# Altium PCB BowieGlove.PcbDoc (part 2 of 2)
Units mil, origin at the board's own origin, x right, y up, seen from the top; angles counter-clockwise.
Board outline 2716.54 x 2322.83 mil, 4 copper layers (Top Layer, Int1 (GND), Int2 (PWR), Bottom Layer), stack 53.912 mil thick; 103 components, 61 nets, 398 pads, 190 vias.
Unrouted connection lines stored in the file: 124.
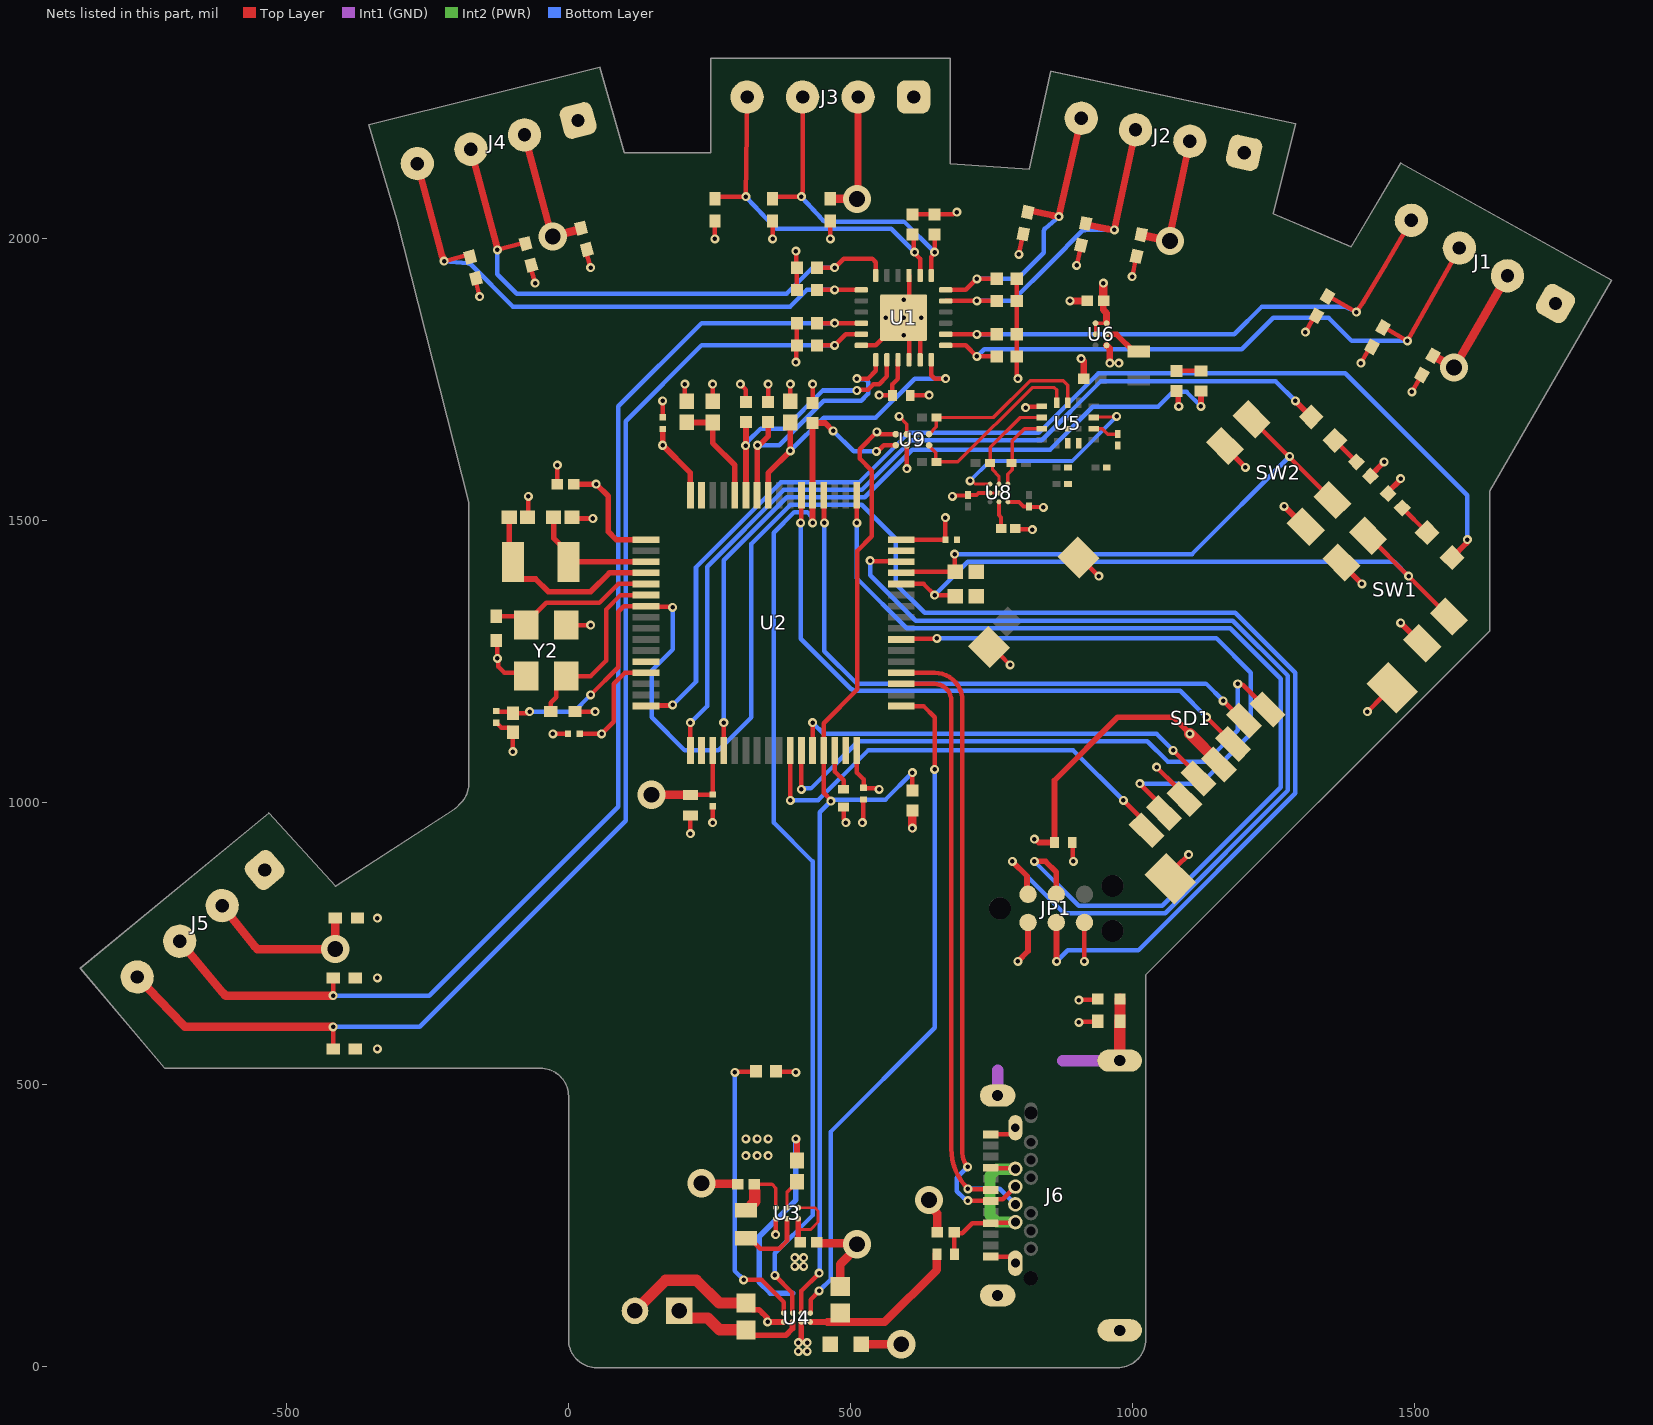
[diagram p4: the nets of this part, all layers, seen from the top]

## Via types
v1: diameter 16, hole 8, Top Layer to Bottom Layer, tented both sides, 175 vias
v2: diameter 50, hole 28, Top Layer to Bottom Layer, tented both sides, 10 vias
v3: diameter 19.68, hole 7.87, Top Layer to Bottom Layer, 5 vias

## Nets (pads, with @x,y where several pads share a name; then routed paths per layer and width w, separated by ;. In a path a pad name is that pad's centre, name@x,y a point inside that pad or via, vN(x,y) a via of type N, cw(c..) or ccw(c..) an arc to the next point about the centre after c; other vN are vias at no path point) (continued)
3V3: C3.1 C8.1 C9.2 C10.2 C11.2 C12.2 C13.2 C15.1 C17.1 C18.1 C24.1 D3.2 D6.2 D9.2 D12.2 D15.2 J1.2 J2.2 J3.2 J4.2 J5.2 JP1.1 L1.2 R1.2 R2.2 R3.2 R4.2 R5.2 R6.2 R7.2 R8.2 R9.2 R10.2 R12.2 R13.2 R14.2 R15.1 R16.1 R17.2 R23.2 R24.2 R26.1 SD1.4 SW1.2 SW1.4 SW2.2 SW2.4 U1.21 U2.1 U2.13 U2.19 U2.32 U2.48 U2.64 U3.C1 U6.A1 U6.A2 U6.B1 U9.B2 | length 4032.3
  Top Layer w6: C18.1@329.86,322.83 361.22,322.83 368.11,315.94 U3.C1@368.11,281.5 ; v1(586.61,1685.04) 600.39,1671.26 U9.B2@600.39,1653.54 ; U6.B1@935.04,1830.71 U6.A1@935.04,1850.39 U6.A2@954.72,1850.39
  Top Layer w8: C11.2@20.28,1122.05 v1(59.06,1122.05) 80.71,1143.7 80.71,1210.63 100.39,1230.31 U2.13@137.8,1230.31 ; C8.1@216.54,1013.78 216.83,1014.07 255.61,1014.07 C10.2@255.91,1014.37 U2.19@255.91,1092.52 ; R17.2@255.91,1711.61 v1(255.91,1742.13) ; v1(305.12,1742.13) 314.96,1732.28 R13.2@314.96,1710.63 ; R12.2@354.33,1710.63 v1(354.33,1742.13) ; R14.2@393.7,1711.61 v1(393.7,1742.13) ; v1(403.54,1781.5) 404.53,1782.48 404.53,1810.04 R9.2@405.51,1811.02 R10.2@405.51,1850.39 ; v1(403.54,1978.35) 404.53,1977.36 404.53,1949.8 R8.2@405.51,1948.82 R7.2@405.51,1909.45 ; R23.2@433.07,1708.66 v1(433.07,1742.13) ; U2.32@511.81,1092.52 511.81,1053.15 523.62,1041.34 C9.2@523.62,1026.18 524.31,1025.5 547.14,1025.5 549.02,1023.62 v1(551.18,1023.62) ; v1(551.18,1722.91) 551.42,1722.68 574.57,1722.68 C3.1@574.8,1722.44 574.8,1742.13 584.65,1751.97 U1.21@584.65,1785.43 ; U2.48@590.55,1466.54 C12.2@668.7,1466.54 668.85,1466.68 v1(668.85,1505.46) ; R5.2@610.24,2043.31 R6.2@649.61,2043.31 682.87,2043.31 686.81,2047.24 v1(688.98,2047.24) ; R3.2@795.28,1929.13 R4.2@795.28,1889.76 R1.2@795.28,1830.71 R2.2@795.28,1791.34 795.28,1756.1 797.24,1754.13 v1(797.24,1751.97)
  Top Layer w10: C15.1@9.84,1564.96 v1(49.21,1564.96) 70.87,1543.31 70.87,1480.31 84.65,1466.54 U2.1@137.8,1466.54 ; C13.2@167.32,1662.8 v1(167.32,1633.86) 215.93,1585.25 215.93,1545.88 U2.64@216.54,1545.28 ; v1(797.24,718.5) 815.35,736.61 JP1.1@815.35,787.4 ; v1(826.77,935.04) 828.4,935.04 834.3,929.13 C17.1@862.2,929.13 862.2,1039.37 974.41,1151.57 1072.83,1151.57 v1(1102.36,1122.05) ; R26.1@1078.74,1730.31 1081.53,1727.53 1081.53,1703.9 v1(1082.68,1702.76) ; SW2.4@1164.49,1632.67 1164.49,1630.78 v1(1200.79,1594.49) ; v1(1269.69,1525.59) 1305.98,1489.3 SW2.2@1307.86,1489.3 ; SW1.4@1371.19,1425.97 1371.19,1424.09 v1(1407.48,1387.8) ; R16.1@1422.69,1579.28 1422.69,1579.72 1446.85,1603.88 v1(1446.85,1604.33) ; R15.1@1454.01,1547.96 1454.01,1550.81 1476.38,1573.18 v1(1476.38,1574.8) ; v1(1476.38,1318.9) 1512.67,1282.6 SW1.2@1514.56,1282.6
  Top Layer w12: J4.2@-77.84,2184.37 v2@-29.85,2005.26 ; v2@513.93,2072.98 J3.2@513.93,2251.42 ; C24.1@949.94,1889.76 948.82,1888.64 948.82,1874.02 954.72,1868.11 U6.A2@954.72,1850.39 ; v2@1065.29,1998.59 J2.2@1102.35,2172.96
  Top Layer w15: J5.2@-614.1,817.27 -557.25,745.82 -551.59,740.16 -545.51,740.16 v2(-413.39,740.16) D15.2@-413.39,795.28 ; v2(-27.56,2003.94) 20.62,2016.85 D12.2@22.46,2019.01 ; v2(147.64,1013.78) C8.1@216.54,1013.78 ; D9.2@464.57,2070.87 v2(511.81,2070.87) ; v1(610.24,954.72) R24.2@610.24,986.22 ; v1(948.82,1921.26) 949.01,1921.07 949.01,1890.7 C24.1@949.94,1889.76 ; D6.2@1015.9,2007.44 1018.09,2006.44 v2(1066.93,1996.06) ; D3.2@1533.46,1792.64 1535.76,1791.92 v2(1570.87,1771.65) 1578.59,1783.71 ccw(c1565.96,1791.81) 1578.95,1784.3 1599.73,1820.28 J1.2@1665.67,1934.49
  Top Layer w20: L1.2@314.96,276.57 321.85,276.57 324.65,279.37 324.65,286.26 330.71,292.32 330.71,311.02 ; v1(1102.36,1122.05) 1153.86,1070.55 SD1.4@1153.86,1067.92
  other v1: 314.96,374.02 334.65,374.02 354.33,374.02 314.96,403.54 334.65,403.54 354.33,403.54
ASCX: R30.1 U5.3 U8.A3 | length 141.6
  Top Layer w6: U8.A3@779.53,1564.96 779.53,1582.68 787.4,1590.55 787.4,1641.73 809.06,1663.39 U5.3@840.04,1663.39
ASDX: R29.1 U5.2 U8.A2 | length 185.7
  Top Layer w6: U8.A2@763.78,1564.96 763.78,1578.74 752.33,1590.19 752.33,1598.47 748.44,1602.36 R29.1@748.03,1602.36 748.03,1629.92 801.18,1683.07 U5.2@840.04,1683.07
BQ21080_INT: U2.33 U4.A1 | length 1215.6
  Top Layer w8: U4.A1@429.13,94.49 429.49,94.84 429.49,118.46 v1(444.88,133.86) ; U2.33@590.55,1171.26 629.92,1171.26 649.61,1151.57 v1(649.61,1059.06)
  Bottom Layer w8: v1(444.88,133.86) 465.76,154.73 465.76,416.54 649.61,600.39 v1(649.61,1059.06)
FINGER_MUX_RESET: R14.1 U1.24 U2.57 | length 529.4
  Top Layer w8: U1.24@643.7,1785.43 643.7,1757.87 649.61,1751.97 v1(669.29,1751.97)
  Top Layer w10: U2.57@354.33,1545.28 354.33,1584.65 v1(393.7,1624.02) R14.1@393.7,1674.21
  Bottom Layer w8: v1(393.7,1624.02) 452.76,1683.07 545.28,1683.07 614.17,1751.97 v1(669.29,1751.97)
GND: C1.2 C2.2 C3.2 C4.2 C5.2 C6.2 C7.2 C8.2 C9.1 C10.1 C11.1 C12.1 C13.1 C14.1 C15.2 C16.2 C17.2 C18.2 C19.2 C20.2 C21.2 C22.1 C23.2 C24.2 C28.2 C29.2 C30.2 C31.2 C32.2 C33.2 C34.2 D1.1 D2.1 D3.1 D4.1 D5.1 D6.1 D7.1 D8.1 D9.1 D10.1 D11.1 D12.1 D13.1 D14.1 D15.1 J1.1 J2.1 J3.1 J4.1 J5.1 J6.A1 J6.A12 J6.B1 J6.B12 JP1.5 P1.2 R11.2 R18.1 R19.1 R20.1 R21.1 R25.1 SD1.6 SD1.10 SD1.11 SD1.12 SD1.13 U1.9 U1.18 U1.22 U1.23 U1.25 U2.12 U2.18 U2.31 U2.47 U2.63 U3.C2 U4.D2 U5.1 U5.6 U5.7 U6.C2 U8.B1 U8.B2 U8.C3 U9.B1 Y2.2 Y2.4 | length 3000.3
  Top Layer w6: U8.B1@748.03,1549.21 U8.B2@763.78,1549.21
  Top Layer w7: v1(681.1,1543.31) 682.17,1544.38 707.59,1544.38 708.93,1545.71 724.33,1545.71 727.83,1549.21 U8.B1@748.03,1549.21 ; U8.C3@779.53,1533.46 799.21,1533.46 807.09,1525.59 816.76,1525.59 817.83,1524.52 841.62,1524.52 v1(842.52,1523.62)
  Top Layer w8: D11.1@-164.2,1929.8 -163.95,1921.78 v1(-157.48,1897.64) ; C14.1@-127.95,1141.73 -127.56,1141.73 -118.64,1132.81 -105.25,1132.81 -98.43,1125.98 R19.1@-98.43,1125 v1(-98.43,1090.55) ; C6.2@-127.95,1287.4 -125.98,1279.59 v1(-125.98,1255.91) -124.45,1254.37 -124.45,1241.34 -113.42,1230.31 -92.46,1230.31 Y2.2@-74.8,1224.41 ; C5.2@-72.22,1505.91 -70.87,1513.96 v1(-70.87,1543.31) ; D10.1@-65.77,1953.43 -65.53,1945.41 v1(-59.06,1921.26) ; v1(-27.56,1122.05) C11.1@-0.59,1122.05 ; C15.2@-19.97,1564.96 -19.68,1570.26 v1(-19.68,1598.43) ; Y2.4@-3.94,1314.96 v1(39.37,1314.96) ; C4.2@6.52,1505.91 15.92,1503.94 v1(43.31,1503.94) ; C7.2@11.81,1161.42 v1(47.24,1161.42) ; D12.1@32.65,1980.99 32.9,1972.97 v1(39.37,1948.82) ; C13.1@167.32,1683.66 v1(167.32,1712.6) ; v1(206.69,1742.13) 206.69,1715.31 R18.1@210.31,1711.7 ; v1(216.54,944.88) C8.2@216.54,977.36 ; v1(255.91,964.57) C10.1@255.91,993.5 ; v1(259.84,2000) D8.1@259.84,2031.5 ; v1(362.2,2000) D7.1@362.2,2031.5 ; v1(367.64,233.79) 367.64,261.35 U3.C2@368.11,261.81 ; R25.1@368.11,523.62 369.09,522.64 402.56,522.64 v1(403.54,521.65) ; v1(464.57,2000) D9.1@464.57,2031.5 ; C16.2@488.19,992.13 488.19,970.67 492.13,966.73 v1(492.13,964.57) ; U1.18@519.69,1811.02 545.28,1811.02 v3(594.49,1860.24) 624.02,1830.71 U1.23@624.02,1785.43 ; v1(521.65,964.57) 522.64,965.55 522.64,1004.33 C9.1@523.62,1005.31 ; v3(594.49,1828.74) 598.49,1828.74 604.33,1822.9 U1.22@604.33,1785.43 ; v3(594.49,1891.73) 598.49,1891.73 604.33,1897.57 U1.9@604.33,1935.04 ; U9.B1@600.39,1633.86 600.5,1633.75 600.5,1592.41 v1(600.6,1592.31) ; C3.2@606.3,1722.44 606.54,1722.68 639.53,1722.68 v1(639.76,1722.91) ; SD1.10@746.02,1275.87 765.51,1262.05 v1(783.46,1244.09) ; J6.A1@749.21,194.88 784.79,194.88 792.91,186.76 J6.B12@792.91,183.07 ; J6.A12@749.21,411.42 785.06,411.42 792.91,419.27 J6.B1@792.91,423.23 ; C32.2@792.39,1486.22 793.38,1485.24 821.85,1485.24 v1(822.83,1484.25) ; v1(799.21,1972.44) 805.3,2001.06 D5.1@806.78,2008.73 ; v1(811.02,1700.79) 812.07,1701.83 839.12,1701.83 U5.1@840.04,1702.76 ; C17.2@893.7,929.13 894.69,928.15 894.69,896.65 v1(895.67,895.67) ; v1(901.57,1952.76) 907.58,1981 D4.1@909.29,1988.62 ; SD1.11@904.7,1434.56 922.99,1419.53 v1(940.94,1401.57) ; v1(905.51,610.24) 906.5,611.22 937.99,611.22 R11.2@938.98,612.2 ; v1(905.51,649.61) 906.5,650.59 937.99,650.59 C2.2@938.98,651.57 ; v1(915.35,718.5) JP1.5@915.35,787.4 ; v1(1000,1933.07) 1006,1961.31 D6.1@1007.72,1968.93 ; v1(1043.31,1062.99) 1078.07,1028.23 SD1.6@1092.61,1006.67 ; SD1.13@1067.56,865.25 1081.49,884.64 1079.31,886.82 v1(1100.18,907.69) ; v1@1307.09,1836.81 v1(1307.09,1834.65) 1320.62,1858.08 D2.1@1326.77,1863.54 D2.1@1326.77,1856.5 ; v1(1405.51,1779.53) 1419.04,1802.96 D1.1@1425.2,1808.42 ; v1(1417.32,1161.42) 1443.78,1187.87 SD1.12@1461.48,1203.49 ; v1(1496.06,1728.35) 1509.66,1751.9 D3.1@1513.78,1758.54
  Top Layer w10: C21.2@314.96,112.29 326.85,100.41 338.11,100.41 344.03,94.49 352.2,86.32 352.2,79.89 v1(353.35,78.74) ; v1@351.72,78.74 U4.D2@381.89,78.74
  Top Layer w12: v1(889.76,1889.76) C24.2@920.14,1889.76 ; v1(909.45,1787.4) 914.23,1782.62 C23.2@914.23,1751.97 ; U6.C2@954.72,1811.02 960.22,1805.53 960.22,1779.94 v1(960.63,1779.53)
  Top Layer w15: v2(236.22,324.8) 237.2,323.82 299.07,323.82 C18.2@300.06,322.83 ; C19.2@440.94,220.47 442.75,218.67 509.67,218.67 v2(511.81,216.54) 511.81,210.73 482.28,181.2 C20.2@482.28,141.82 ; C22.1@519.69,39.37 v2(590.55,39.37) ; v2(639.76,295.28) 639.76,285.8 654.39,271.18 C1.2@654.39,238.19
  Top Layer w20: P1.2@118.11,98.43 172.24,152.56 227.36,152.56 267.63,112.29 C21.2@314.96,112.29
  Top Layer w27.56: J1.1@1750.91,1885.28 J1.1@1756.11,1865.87
  other v1: -338.58,562.99 -338.58,688.98 -338.58,795.28 976.38,1779.53
  other v3: 562.99,1860.24 625.98,1860.24
I2C2_SCK: R24.1 U2.29 U4.B1 U9.A2 | length 1878
  Top Layer w8: U4.B1@413.39,94.49 413.39,133.86 v1(444.88,165.35) ; v1(465.61,1002.59) 465.61,1004.75 452.76,1017.6 U2.29@452.76,1092.52 452.76,1140.75 512.8,1200.79 512.8,1446.85 538.39,1472.44 538.39,1588.58 516.73,1610.24 516.73,1626.97 v1(547.24,1657.48) 549.41,1657.48 553.35,1653.54 U9.A2@580.71,1653.54 ; R24.1@610.24,1021.65 v1(610.24,1053.15)
  Bottom Layer w8: v1(444.88,165.35) 446.07,166.54 446.07,983.05 v1(465.61,1002.59) ; v1@465.61,1005.42 562.5,1005.42 v1(610.24,1053.15)
I2C2_SDA: R23.1 U2.53 U4.C1 U9.A1 | length 1901.5
  Top Layer w8: v1(366.14,161.42) 397.29,130.27 397.29,94.84 U4.C1@397.64,94.49 ; v1(546.37,1622.93) 548.53,1622.93 559.46,1633.86 U9.A1@580.71,1633.86
  Top Layer w10: v1(433.07,1496.06) U2.53@433.07,1545.28 R23.1@433.07,1673.23 455.71,1673.23 v1(469.49,1659.45)
  Bottom Layer w8: v1(366.14,161.42) 366.14,200.79 433.07,267.72 433.07,895.67 364.17,964.57 364.17,1478.75 400.76,1515.34 423.64,1515.34 431.85,1507.13 431.85,1497.28 v1(433.07,1496.06) ; v1(469.49,1659.45) 506.01,1622.93 v1(546.37,1622.93)
I2C_CH1_SCK: D2.2 J1.4 R1.1 U1.2 | length 1034.5
  Top Layer w8: U1.2@669.29,1830.71 v1(724.41,1830.71) R1.1@759.84,1830.71 ; D2.2@1346.46,1897.64 1352.38,1896.21 v1(1397.64,1870.08) 1411.12,1889.92 ccw(c1404.5,1894.42) 1411.36,1890.29 1448.48,1952 ccw(c1441.62,1956.12) 1448.55,1952.12 J1.4@1495.19,2032.91
  Bottom Layer w8: v1(724.41,1830.71) 1181.1,1830.71 1230.32,1879.92 1375.03,1879.92 cw(c1375.03,1871.92) 1378.45,1879.15 v1(1397.64,1870.08)
I2C_CH1_SDA: D1.2 J1.3 R2.1 U1.1 | length 1146.4
  Top Layer w8: U1.1@669.29,1811.02 704.72,1811.02 v1(724.41,1791.34) R2.1@759.84,1791.34 ; D1.2@1444.88,1842.52 1450.54,1840.63 v1(1488.19,1818.9) J1.3@1580.43,1983.7
  Bottom Layer w8: v1(724.41,1791.34) 737.47,1804.4 1194.17,1804.4 1250,1860.24 1348.43,1860.24 1389.76,1818.9 v1(1488.19,1818.9)
I2C_CH2_SCK: D5.2 J2.4 R3.1 U1.6 | length 548.7
  Top Layer w8: U1.6@669.29,1909.45 704.72,1909.45 v1(724.41,1929.13) R3.1@759.84,1929.13
  Top Layer w12: D5.2@814.96,2047.24 819.46,2049.94 858.47,2041.65 ccw(c860.96,2053.39) 858.65,2041.61 v1(870.08,2039.37) J2.4@909.8,2213.89
  Bottom Layer w8: v1(724.41,1929.13) 797.24,1929.13 843.3,1975.19 843.3,2012.84 cw(c851.3,2012.84) 846.11,2018.92 v1(870.08,2039.37)
I2C_CH2_SDA: D4.2 J2.3 R4.1 U1.5 | length 620.6
  Top Layer w8: U1.5@669.29,1889.76 v1(724.41,1889.76) R4.1@759.84,1889.76
  Top Layer w12: D4.2@917.48,2027.13 920.94,2024.92 956.56,2017.35 ccw(c959.06,2029.09) 957.46,2017.19 v1(968.5,2015.75) J2.3@1006.07,2193.42
  Bottom Layer w8: v1(724.41,1889.76) 787.4,1889.76 856.3,1958.66 910.8,2013.16 cw(c916.46,2007.51) 916.42,2015.51 v1(968.5,2015.75)
I2C_CH3_SCK: D8.2 J3.4 R5.1 U1.8 | length 652.3
  Top Layer w8: D8.2@259.84,2070.87 265.69,2074.8 v1(314.96,2074.8) J3.4@317.08,2251.42 ; R5.1@610.24,2007.87 612.64,2005.47 612.64,1977.91 v1(614.17,1976.38) 614.17,1974.21 624.02,1964.37 U1.8@624.02,1935.04
  Bottom Layer w8: v1(314.96,2074.8) 365.76,2020.24 ccw(c371.59,2025.72) 371.59,2017.72 572.83,2017.72 v1(614.17,1976.38)
I2C_CH3_SDA: D7.2 J3.3 R6.1 U1.7 | length 582.3
  Top Layer w8: D7.2@362.2,2070.87 368.05,2074.8 v1(413.39,2074.8) 415.26,2082.21 ccw(c407.5,2084.17) 415.5,2084.17 J3.3@415.5,2251.42 ; U1.7@643.7,1935.04 643.7,1968.31 649.61,1974.21 v1(649.61,1976.38) R6.1@649.61,2007.87
  Bottom Layer w8: v1(413.39,2074.8) 451.18,2033.31 ccw(c457.07,2038.72) 457.07,2030.72 595.27,2030.72 v1(649.61,1976.38)
I2C_CH4_SCK: D11.2 J4.4 R7.1 U1.13 | length 1042.8
  Top Layer w8: v1(-220.47,1960.63) -213.88,1961.92 ccw(c-215.45,1969.77) -213.38,1962.04 -181.19,1970.66 D11.2@-174.39,1967.83 ; R7.1@440.94,1909.45 v1(472.44,1909.45) U1.13@519.69,1909.45
  Top Layer w12: J4.4@-267.98,2133.42 -230.05,1991.83 -224.57,1971.42 ccw(c-212.99,1974.56) -224.28,1970.49 -224.09,1969.95 ccw(c-212.8,1974.02) -224.01,1969.75 v1(-220.47,1960.63)
  Bottom Layer w8: v1(-220.47,1960.63) -178.1,1956.95 cw(c-178.79,1948.98) -173.16,1954.65 -98.43,1879.92 393.7,1879.92 423.23,1909.45 v1(472.44,1909.45)
I2C_CH4_SDA: D10.2 J4.3 R8.1 U1.12 | length 1047.3
  Top Layer w8: v1(-125.98,1980.31) -82.17,1992.05 D10.2@-75.96,1991.46 ; R8.1@440.94,1948.82 v1(472.44,1948.82) 488.19,1964.57 539.37,1964.57 545.28,1958.66 U1.12@545.28,1935.04
  Top Layer w12: J4.3@-172.91,2158.9 v1@-125.35,1981.41
  Bottom Layer w8: v1(-125.98,1980.31) -125.98,1937.01 -91.74,1902.76 387.02,1902.76 433.07,1948.82 v1(472.44,1948.82)
I2C_CH5_SCK: D14.2 J5.4 R9.1 U1.17 | length 2317.6
  Top Layer w8: D14.2@-417.32,562.99 v1(-417.32,602.36) ; R9.1@440.94,1811.02 v1(472.44,1811.02) 492.13,1830.71 U1.17@519.69,1830.71
  Top Layer w15: J5.4@-764.89,690.73 -684.99,607.01 -680.35,602.36 -674.14,602.36 v1@-416.86,602.36
  Bottom Layer w8: v1(-417.32,602.36) -263.78,602.36 101.58,967.72 101.58,1676.39 236.22,1811.02 v1(472.44,1811.02)
I2C_CH5_SDA: D13.2 J5.3 R10.1 U1.16 | length 2226.9
  Top Layer w8: v1(-417.32,657.48) D13.2@-417.32,688.98 ; R10.1@440.94,1850.39 v1(472.44,1850.39) U1.16@519.69,1850.39
  Top Layer w15: J5.3@-689.5,754 -613.08,662.84 -607.72,657.48 -601.59,657.48 v1(-417.32,657.48)
  Bottom Layer w8: v1(-417.32,657.48) -246.73,657.48 88.58,992.79 88.58,1702.76 236.22,1850.39 v1(472.44,1850.39)
JTAG_DIO: U5.16
MCU_I2C1_SCK: R12.1 U1.19 U2.58 | length 476.5
  Top Layer w8: v1(511.81,1751.97) 531.5,1751.97 545.28,1765.75 U1.19@545.28,1785.43
  Top Layer w10: U2.58@334.65,1545.28 335.05,1545.68 335.05,1633.47 v1(335.46,1633.88) ; v1@334.65,1633.86 335.81,1635.03 339.75,1635.03 354.33,1649.61 R12.1@354.33,1675.2
  Bottom Layer w8: v1(335.46,1633.88) 374.04,1633.88 452.76,1712.6 511.81,1712.6 512.18,1712.97 519.27,1712.97 531.5,1725.2 531.5,1746.11 526.79,1750.82 512.96,1750.82 v1(511.81,1751.97)
MCU_I2C1_SDA: R13.1 U1.20 U2.59 | length 462.8
  Top Layer w8: v1(511.81,1730.97) 513.34,1732.5 531.51,1732.5 541.13,1742.13 551.18,1742.13 564.96,1755.91 U1.20@564.96,1785.43
  Top Layer w10: U2.59@314.96,1545.28 R13.1@314.96,1675.2
  Bottom Layer w8: v1(314.47,1633.37) 314.47,1635.53 318.46,1639.52 318.46,1640.92 340.93,1663.39 383.74,1663.39 451.33,1730.97 v1(511.81,1730.97)
MCU_LED0: D16.1 U2.16 | length 2031.8
  Top Layer w8: U2.16@137.8,1171.26 138.78,1172.24 184.06,1172.24 v1(185.04,1173.23)
  Top Layer w10: D16.1@1567.55,1434.42 1593.34,1460.22 1593.34,1465.39 v1(1594.49,1466.54)
  Bottom Layer w8: v1(185.04,1173.23) 226.38,1214.57 226.38,1417.32 376.97,1567.91 515.4,1567.91 603.2,1655.72 834.18,1655.72 940.28,1761.81 1377.95,1761.81 1594.49,1545.28 v1(1594.49,1466.54)
MCU_LED1: D17.1 U2.17 | length 1572
  Top Layer w8: U2.17@216.54,1092.52 v1(216.54,1141.73)
  Top Layer w10: v1(1289.37,1712.6) D17.1@1317.7,1684.27
  Bottom Layer w8: v1(216.54,1141.73) 246.06,1171.26 246.06,1418.62 382.35,1554.91 520.78,1554.91 608.58,1642.72 839.57,1642.72 943.9,1747.05 1254.92,1747.05 v1(1289.37,1712.6)
MCU_LED2: D18.1 U2.20 | length 1345.5
  Top Layer w8: U2.20@275.59,1092.52 v1(275.59,1141.73)
  Top Layer w10: v1(1122.05,1702.76) D18.1@1122.05,1730.31
  Bottom Layer w8: v1(275.59,1141.73) 275.59,1429.77 387.16,1541.34 525.59,1541.34 610.24,1625.98 854.33,1625.98 930.39,1702.04 1045.99,1702.04 1072.3,1728.35 1096.46,1728.35 v1(1122.05,1702.76)
MCU_RESET: C14.2 JP1.3 R19.2 U2.7 | length 3189.2
  Top Layer w8: C14.2@-127.95,1162.6 -126.44,1161.09 -101.05,1161.09 R19.2@-98.43,1158.46 -74.02,1158.46 -71.06,1161.42 v1(-68.9,1161.42) ; v1(39.37,1190.94) 88.58,1240.16 88.58,1338.58 98.43,1348.43 U2.7@137.8,1348.43 138.78,1347.44 184.06,1347.44 v1(185.04,1346.46)
  Top Layer w10: JP1.3@865.35,787.4 865.75,787.01 865.75,718.9 v1(866.14,718.5)
  Bottom Layer w8: v1(-68.9,1161.42) 9.84,1161.42 v1(39.37,1190.94) ; v1(185.04,1346.46) 185.04,1271.65 147.64,1234.25 147.64,1151.57 206.69,1092.52 265.75,1092.52 324.8,1151.57 324.8,1459.18 393.96,1528.34 520.21,1528.34 580.71,1467.84 580.71,1387.8 631.91,1336.59 1183.09,1336.59 1289.37,1230.31 1289.37,1016.38 1011.18,738.19 885.83,738.19 v1(866.14,718.5)
MCU_SWDCLK: JP1.4 U2.49 | length 1807.4
  Top Layer w8: v1(511.81,1496.06) U2.49@511.81,1545.28
  Top Layer w10: v1(826.77,895.67) 846.46,895.67 865.35,876.77 JP1.4@865.35,837.4
  Bottom Layer w8: v1(511.81,1496.06) 511.81,1397.64 600.39,1309.06 1173.86,1309.06 1263.37,1219.55 1263.37,1027.15 1053.15,816.93 905.51,816.93 v1(826.77,895.67)
MCU_SWDIO: JP1.2 U2.46 | length 1786.7
  Top Layer w8: v1(535.43,1429.13) 536.42,1428.15 589.57,1428.15 U2.46@590.55,1427.17
  Top Layer w10: v1(787.4,895.67) 813.55,869.53 813.55,839.21 JP1.2@815.35,837.4
  Bottom Layer w8: v1(535.43,1429.13) 535.43,1403.54 616.39,1322.59 1178.71,1322.59 1276.37,1224.93 1276.37,1021.76 1058.53,803.93 879.14,803.93 v1(787.4,895.67)
NetC1_1: C1.1 FB16.1 J6.A4 J6.A9 J6.B4 J6.B9 | length 371.5
  Top Layer w8: C1.1@684.2,238.19 C1.1@684.62,237.77 ; FB16.1@685.04,198.82 684.62,199.24 C1.1@684.62,237.77 ; J6.A9@749.21,352.36 750.2,351.38 791.93,351.38 J6.B4@792.91,350.39 ; J6.B9@792.91,255.91 791.93,254.92 750.2,254.92 J6.A4@749.21,253.94 716.54,253.94 698.82,236.22 686.16,236.22 C1.1@684.62,237.77
  Int2 (PWR) w20: J6.B9@792.91,255.91 759.75,255.91 748.03,267.62 748.03,338.06 759.75,349.78 792.3,349.78 J6.B4@792.91,350.39
NetC2_1: C2.1 J6.Shell R11.1 | length 255.3
  Top Layer w20: J6.Shell@977.95,542.32 978.19,542.56 978.19,612.05 R11.1@978.35,612.2 C2.1@978.35,651.57
  Int1 (GND) w20: J6.Shell@761.42,480.32 761.42,525.2 ; 876.97,542.32 J6.Shell@977.95,542.32
NetC16_1: C16.1 U2.30 | length 75.4
  Top Layer w8: U2.30@472.44,1092.52 472.44,1055.12 488.19,1039.37 C16.1@488.19,1023.62
NetC21_1: C21.1 P1.1 U4.C2 | length 235.4
  Top Layer w10: C21.1@314.96,64.87 324.72,55.12 385.83,55.12 397.64,66.93 U4.C2@397.64,78.74
  Top Layer w20: P1.1@196.85,98.43 209.65,85.63 247.23,85.63 267.99,64.87 C21.1@314.96,64.87
NetC31_1: C31.1 U5.9 | length 46.9
  Top Layer w6: U5.9@931.61,1663.39 946.85,1663.39 956.69,1653.54 974.24,1653.54 C31.1@974.41,1653.71
NetC32_1: C32.1 U8.C2 | length 48.9
  Top Layer w7: U8.C2@763.78,1533.46 763.78,1509.84 767.72,1505.91 C32.1@767.72,1486.22
NetD16_2: D16.2 R15.2 | length 62.1
  Top Layer w8: R15.2@1479.06,1522.91 D16.2@1523,1478.96
NetD17_2: D17.2 R16.2 | length 54
  Top Layer w8: D17.2@1359.46,1642.51 R16.2@1397.64,1604.33
NetD18_2: D18.2 R26.2 | length 43.3
  Top Layer w8: R26.2@1078.74,1765.75 D18.2@1122.05,1765.75
NetL1_1: L1.1 U3.B2 | length 125.7
  Top Layer w8: L1.1@314.96,227.36 321.85,227.36 340.55,208.66 374.02,208.66 387.8,222.44 U3.B2@387.8,261.81
NetL2_1: L2.1 U6.B2 | length 69.7
  Top Layer w10: U6.B2@954.72,1830.71 954.81,1830.63 972.52,1830.63 1002.95,1800.2 L2.1@1011.81,1800.2
NetR17_1: R17.1 R18.2 U2.60 | length 190.9
  Top Layer w10: R18.2@210.31,1674.3 210.35,1674.25 R17.1@255.91,1674.21 R17.1@255.91,1674.21 255.91,1637.8 295.28,1598.43 U2.60@295.28,1545.28
NetR25_2: R25.2 U4.D1 | length 519.7
  Top Layer w8: v1(295.28,521.65) 296.26,522.64 331.69,522.64 R25.2@332.68,523.62 ; v1(311.02,153.54) 311.26,153.31 342.76,153.31 381.89,114.17 U4.D1@381.89,94.49
  Bottom Layer w8: v1(295.28,521.65) 295.28,169.29 v1(311.02,153.54)
OCSB: U5.10 U8.A1 | length 386.7
  Top Layer w5: v1(712.6,1570.87) 715.57,1570.87 721.48,1564.96 U8.A1@748.03,1564.96 ; U5.10@931.61,1683.07 932.6,1684.06 971.46,1684.06 v1(972.44,1685.04)
  Bottom Layer w7: v1(712.6,1570.87) 748.03,1606.3 893.7,1606.3 v1(972.44,1685.04)
PWM_MODE: R22.2 U3.B1 | length 53.6
  Top Layer w6: U3.B1@387.8,281.5 387.8,309.06 405.51,326.77 R22.2@405.51,327.76
SCL_ADD_SHIFT_1V8: R28.1 U5.13 U9.D2 | length 329.3
  Top Layer w6: U9.D2@639.76,1653.54 652.56,1666.34 R28.1@652.56,1683.07 753.94,1683.07 818.9,1748.03 877.95,1748.03 885.83,1740.16 U5.13@885.83,1709.13
SDA_ADD_SHIFT_1V8: R27.1 U5.14 U9.D1 | length 327.8
  Top Layer w6: U9.D1@639.76,1633.86 639.76,1632.29 651.83,1620.22 651.83,1605.06 R27.1@652.56,1604.33 690.94,1604.33 822.83,1736.22 862.2,1736.22 866.14,1732.28 U5.14@866.14,1709.13
SDIO_CLK: SD1.5 U2.28 | length 777.6
  Top Layer w8: U2.28@433.07,1092.52 v1(433.07,1141.73) ; v1(1072.83,1092.52) 1117.67,1047.69 SD1.5@1117.67,1042.86
  Bottom Layer w8: v1(433.07,1141.73) 452.76,1122.05 1043.31,1122.05 v1(1072.83,1092.52)
SDIO_CMD: SD1.3 U2.54 | length 1099.5
  Top Layer w8: v1(412.07,1496.06) 412.73,1496.72 412.73,1544.62 U2.54@413.39,1545.28 ; v1(1131.89,1151.57) 1178.91,1104.55 SD1.3@1178.91,1104.11
  Bottom Layer w8: v1(412.07,1496.06) 412.07,1290.69 501.97,1200.79 503.27,1200.79 505.9,1198.16 1085.31,1198.16 v1(1131.89,1151.57)
SDIO_D0: SD1.7 U2.39 | length 1055.6
  Top Layer w8: U2.39@590.55,1289.37 591.54,1290.35 652.56,1290.35 v1(653.54,1291.34) ; v1(1013.78,1033.46) 1042.97,1004.27 SD1.7@1056.42,981.62
  Bottom Layer w8: v1(653.54,1291.34) 1149.61,1291.34 1210.63,1230.31 1210.63,1122.05 1122.05,1033.46 v1(1013.78,1033.46)
SDIO_D1: SD1.8 U2.26 | length 820.6
  Top Layer w8: v1(393.7,1003.94) U2.26@393.7,1092.52 ; v1(984.25,1003.94) 1013.45,974.74 SD1.8@1025.8,951
  Bottom Layer w8: v1(393.7,1003.94) 442.91,1003.94 531.5,1092.52 895.67,1092.52 v1(984.25,1003.94)
SDIO_D2: SD1.1 U2.27 | length 1070.1
  Top Layer w8: v1(413.39,1023.62) U2.27@413.39,1092.52 ; v1(1187.32,1210.63) 1188.85,1209.1 1196.41,1209.1 SD1.1@1240.16,1165.35
  Bottom Layer w8: v1(413.39,1023.62) 414.92,1025.15 430.24,1025.15 514.14,1109.05 1026.78,1109.05 1062.99,1072.83 1131.89,1072.83 1187.32,1128.26 v1(1187.32,1210.63)
SDIO_D3: SD1.2 U2.52 | length 1072.5
  Top Layer w8: U2.52@452.76,1545.28 453.41,1544.62 453.41,1496.72 v1(454.07,1496.06) ; v1(1161.42,1180.63) 1196.18,1145.87 SD1.2@1198.4,1145.87
  Bottom Layer w8: v1(454.07,1496.06) 454.07,1268.37 511.28,1211.16 1130.89,1211.16 v1(1161.42,1180.63)
USB_DN: J6.A7 J6.B7 U2.35 | length 1116.5
  Top Layer w8: U2.35@590.55,1210.63 649.61,1210.63 cw(c649.61,1181.1) 679.13,1181.1 679.13,386.25 ccw(c779.95,386.25) v1(708.66,314.96) 709.65,313.98 748.23,313.98 J6.A7@749.21,312.99
  Bottom Layer w8: v1(708.66,314.96) 765.35,314.96 J6.B7@792.91,287.4
USB_DP: J6.A6 J6.B6 U2.36 | length 1138.6
  Top Layer w8: U2.36@590.55,1230.31 649.61,1230.31 cw(c649.61,1181.1) 698.82,1181.1 698.82,378.09 ccw(c732.42,378.09) v1@708.66,354.33 ; v1(708.66,293.96) 708.99,293.63 748.89,293.63 J6.A6@749.21,293.31 752.1,296.2 770.21,296.2 J6.B6@792.91,318.9
  Bottom Layer w8: v1(708.17,353.84) 688.98,334.65 688.98,310.6 701.62,297.96 702.5,297.96 706.5,293.96 v1(708.66,293.96)
USER_INPUT_0: R20.2 SW1.1 SW1.3 U2.44 | length 1182.8
  Top Layer w8: U2.44@590.55,1387.8 629.92,1387.8 v1(649.61,1368.11) 684.06,1368.11 R20.2@686.02,1366.14 ; SW1.3@1418.51,1473.3 v1(1490.2,1401.62) SW1.1@1561.88,1329.93
  Bottom Layer w8: v1(649.61,1368.11) 708.66,1427.17 1464.65,1427.17 v1(1490.2,1401.62)
USER_INPUT_1: R21.2 SW2.1 SW2.3 U2.45 | length 996.5
  Top Layer w8: U2.45@590.55,1407.48 610.17,1409.25 676.24,1409.25 R21.2@686.02,1409.45 685.04,1410.43 v1(685.04,1440.94) ; SW2.3@1211.82,1679.99 SW2.1@1355.19,1536.62
  Bottom Layer w8: v1(685.04,1440.94) 1106.3,1440.94 v1(1279.53,1614.17)
VBUS: C20.1 FB16.2 U4.A2 | length 290.3
  Top Layer w10: U4.A2@429.13,78.74 459.65,78.74
  Top Layer w15: 459.65,78.74 561.02,78.74 653.54,171.26 FB16.2@653.54,198.82
VSYS: C19.1 C22.2 R22.1 U3.A1 U3.A2 U4.B2 | length 566.7
  Top Layer w5: U3.A1@407.48,281.5 437.01,281.5 442.91,275.59 442.91,255.91 429.9,242.89 407.56,242.89
  Top Layer w6: C19.1@405.23,214.57 C19.1@411.14,220.47
  Top Layer w10: v1(403.54,403.54) 403.54,401.92 405.51,399.95 R22.1@405.51,365.16 ; U3.A2@407.48,261.81 407.56,261.73 407.56,242.89 407.56,224.05 C19.1@411.14,220.47 ; 412.4,49.21 413.39,50.2 U4.B2@413.39,78.74
  Bottom Layer w10: 397.64,129.92 358.27,129.92 338.58,149.61 338.58,230.32 403.54,295.28 v1(403.54,403.54)
  other v1: 407.85,26.52 423.6,26.52 407.85,42.26 423.6,42.26 401.57,177.17 417.32,177.17 401.57,192.91 417.32,192.91
XIN: C6.1 U2.5 Y2.1 | length 304.7
  Top Layer w8: C6.1@-127.95,1330.71 -90.55,1330.71 Y2.1@-74.8,1314.96 -74.8,1318.9 -39.37,1354.33 55.12,1354.33 88.58,1387.8 U2.5@137.8,1387.8
XIN32: C4.1 U2.3 Y1.1 | length 227.4
  Top Layer w10: C4.1@-26.2,1505.91 -26.2,1469.12 0,1442.91 Y1.1@0,1427.17 U2.3@137.8,1427.17
XOUT: C7.1 U2.6 Y2.3 | length 328.7
  Top Layer w8: C7.1@-31.5,1161.42 -31.5,1177.17 -21.59,1187.07 -21.59,1206.76 Y2.3@-3.94,1224.41 39.37,1224.41 66.93,1251.97 66.93,1342.52 92.52,1368.11 U2.6@137.8,1368.11
XOUT32: C5.1 U2.4 Y1.2 | length 362.8
  Top Layer w10: C5.1@-104.94,1505.91 -104.94,1433.68 Y1.2@-98.43,1427.17 -98.43,1411.42 -83.74,1396.73 -58.15,1396.73 -35.43,1374.02 39.37,1374.02 72.83,1407.48 U2.4@137.8,1407.48
pads on no net: J6.A2 J6.A3 J6.A5 J6.A8 J6.A10 J6.A11 J6.B2 J6.B3 J6.B5 J6.B8 J6.B10 J6.B11 J6.MH1 J6.MH2 JP1.0 JP1.6 SD1.9 U1.3 U1.4 U1.10 U1.11 U1.14 U1.15 U2.2 U2.8 U2.9 U2.10 U2.11 U2.14 U2.15 U2.21 U2.22 U2.23 U2.24 U2.25 U2.34 U2.37 U2.38 U2.40 U2.41 U2.42 U2.43 U2.50 U2.51 U2.55 U2.56 U2.61 U2.62 U5.4 U5.11 U5.15 U5.18 U5.19 U5.20

## Polygon pours and split planes (outlines as drawn)
GND on Top Layer "GND" (solid, pour order 12): -49.68,528.98 cw(c-49.68,478.98) 0.32,478.98 0.32,47.48 ccw(c50.32,47.48) 50.32,-2.52 973.94,-2.52 ccw(c973.94,47.48) 1023.94,47.48 1023.94,694.33 1634.17,1304.57 1634.17,1552.6 1850.71,1926.61 1476.32,2134.61 1388.11,1985.67 1250.32,2044.72 1290.19,2204.2 1290.12,2204.22 855.89,2297.27 855.87,2297.27 817.24,2123.46 677.48,2132.78 677.48,2320.31 252.28,2320.31 252.28,2152.99 98.74,2152.99 55.43,2304.57 -354.02,2202.2 -304.8,2034.88 -176.85,1532.91 -176.85,1031.73 cw(c-221.52,1031.73) -189.93,1000.14 -200.47,989.61 -413.07,851.81 -531.18,981.73 -865.83,706.14 -716.22,528.98
1V8 on Top Layer "1V8_L01_P013" (solid, pour order 13): 1031.5,1761.8 933.07,1761.8 933.07,1740.16 ccw(c940.94,1740.16) 940.94,1732.28 955.06,1732.28 cw(c955.06,1709.34) 971.29,1725.56 982.62,1714.23 ccw(c1005.57,1737.18) 1005.57,1704.72 1019.68,1704.72 ccw(c1019.68,1716.54) 1031.5,1716.54
GND on Top Layer "GND_L01_P002" (solid, pour order 2): 980.32,1791.34 952.76,1791.34 ccw(c952.76,1787.4) 948.82,1787.4 948.82,1775.59 ccw(c956.69,1775.59) 956.69,1767.72 980.32,1767.72 ccw(c980.32,1775.59) 988.19,1775.59 988.19,1783.46 ccw(c980.32,1783.46)
3V3 on Top Layer "3V3_L01_P004" (solid, pour order 4): 377.95,308.56 377.95,397.64 ccw(c358.27,397.64) 358.27,417.32 314.96,417.32 ccw(c314.96,401.58) 299.21,401.57 299.21,367.77 ccw(c331.66,367.77) 308.72,344.83 318.9,334.65 318.9,311.02 342.52,311.02 cw(c342.52,303.15) 350.39,303.15 ccw(c354.33,303.15) 354.33,299.21 368.6,299.21 ccw(c368.6,308.56)
VSYS on Top Layer "VSYS_L01_P006" (solid, pour order 6): 421.26,228.35 421.26,214.23 ccw(c444.21,214.23) 427.98,198 429.13,196.85 429.13,173.23 cw(c421.26,173.23) 421.26,165.35 397.64,165.35 cw(c397.64,173.23) 389.76,173.23 389.76,187.35 cw(c420.42,187.35) 398.74,209.02 401.18,211.46 401.18,228.35
VSYS on Top Layer "VSYS_L01_P003" (solid, pour order 3): 482.28,59.06 482.28,15.75 405.51,15.75 cw(c405.51,23.62) 397.64,23.62 397.64,43.31 cw(c407.47,43.31) 400.2,49.93 ccw(c340.83,104.09) 406.24,57.41 cw(c409.45,55.12) 409.45,59.05
GND on Bottom Layer "GND_L04_P008" (solid, pour order 8): -49.68,528.98 cw(c-49.68,478.98) 0.32,478.98 0.32,47.48 ccw(c50.32,47.48) 50.32,-2.52 973.94,-2.52 ccw(c973.94,47.48) 1023.94,47.48 1023.94,694.33 1634.17,1304.57 1634.17,1552.6 1850.71,1926.61 1476.32,2134.61 1388.11,1985.67 1250.32,2044.72 1290.19,2204.2 1290.12,2204.22 855.89,2297.27 855.87,2297.27 817.24,2123.46 677.48,2132.78 677.48,2320.31 252.28,2320.31 252.28,2152.99 98.74,2152.99 55.43,2304.57 -354.02,2202.2 -304.8,2034.88 -176.85,1532.91 -176.85,1031.73 cw(c-221.52,1031.73) -189.93,1000.14 -200.47,989.61 -413.07,851.81 -531.18,981.73 -865.83,706.14 -716.22,528.98
GND on Bottom Layer "GND" (solid, pour order 7): -49.68,528.98 cw(c-49.68,478.98) 0.32,478.98 0.32,47.48 ccw(c50.32,47.48) 50.32,-2.52 973.94,-2.52 ccw(c973.94,47.48) 1023.94,47.48 1023.94,694.33 1634.17,1304.57 1634.17,1552.6 1850.71,1926.61 1476.32,2134.61 1388.11,1985.67 1250.32,2044.72 1290.19,2204.2 1290.12,2204.22 855.89,2297.27 855.87,2297.27 817.24,2123.46 677.48,2132.78 677.48,2320.31 252.28,2320.31 252.28,2152.99 98.74,2152.99 55.43,2304.57 -354.02,2202.2 -304.8,2034.88 -176.85,1532.91 -176.85,1031.73 cw(c-221.52,1031.73) -189.93,1000.14 -200.47,989.61 -413.07,851.81 -531.18,981.73 -865.83,706.14 -716.22,528.98
VSYS on Bottom Layer "VSYS_L04_P005" (solid, pour order 5): 421.26,204.72 397.64,204.72 ccw(c397.64,196.85) 389.76,196.85 389.76,27.56 ccw(c401.57,27.56) 401.57,15.75 425.2,15.75 ccw(c425.2,27.56) 437.01,27.56 437.01,118.11 435.85,119.26 cw(c452.08,135.49) 429.13,135.49 429.13,196.85 ccw(c421.26,196.85)
GND on Int1 (GND) "GND" (solid, pour order 11): -49.68,528.98 cw(c-49.68,478.98) 0.32,478.98 0.32,47.48 ccw(c50.32,47.48) 50.32,-2.52 973.94,-2.52 ccw(c973.94,47.48) 1023.94,47.48 1023.94,694.33 1634.17,1304.57 1634.17,1552.6 1850.71,1926.61 1476.32,2134.61 1388.11,1985.67 1250.32,2044.72 1290.19,2204.2 1290.12,2204.22 855.89,2297.27 855.87,2297.27 817.24,2123.46 677.48,2132.78 677.48,2320.31 252.28,2320.31 252.28,2152.99 98.74,2152.99 55.43,2304.57 -354.02,2202.2 -304.8,2034.88 -176.85,1532.91 -176.85,1031.73 cw(c-221.52,1031.73) -189.93,1000.14 -200.47,989.61 -413.07,851.81 -531.18,981.73 -865.83,706.14 -716.22,528.98
NetC2_1 on Int1 (GND) "NETC2_1_L02_P009" (solid, pour order 9): 1013.78,580.71 697.64,580.71 697.64,35.27 1014.17,35.27
3V3 on Int2 (PWR) "3V3" (solid, pour order 14): -49.68,528.98 cw(c-49.68,478.98) 0.32,478.98 0.32,47.48 ccw(c50.32,47.48) 50.32,-2.52 973.94,-2.52 ccw(c973.94,47.48) 1023.94,47.48 1023.94,694.33 1634.17,1304.57 1634.17,1552.6 1850.71,1926.61 1476.32,2134.61 1388.11,1985.67 1250.32,2044.72 1290.19,2204.2 1290.12,2204.22 855.89,2297.27 855.87,2297.27 817.24,2123.46 677.48,2132.78 677.48,2320.31 252.28,2320.31 252.28,2152.99 98.74,2152.99 55.43,2304.57 -354.02,2202.2 -304.8,2034.88 -176.85,1532.91 -176.85,1031.73 cw(c-221.52,1031.73) -189.93,1000.14 -200.47,989.61 -413.07,851.81 -531.18,981.73 -865.83,706.14 -716.22,528.98
1V8 on Int2 (PWR) "1V8_L03_P010" (solid, pour order 10): 1015.75,1744.09 985.21,1744.09 ccw(c985.2,1658.35) 924.57,1718.98 867.42,1661.83 cw(c780.88,1748.37) 780.88,1625.98 641.73,1625.98 ccw(c641.73,1594.49) 610.24,1594.49 610.24,1570.87 ccw(c645.67,1570.87) 645.67,1535.43 cw(c645.67,1478.41) 685.99,1518.73 704.25,1500.48 ccw(c743.42,1539.65) 743.42,1484.25 832.06,1484.25 ccw(c832.06,1616.15) 925.32,1522.88 1009.09,1606.65 ccw(c926.49,1689.25) 1043.31,1689.26 1043.31,1716.54 ccw(c1015.75,1716.54)

## Other copper
Top Layer:
  pour cut-out: 965.58,876.77 765.35,876.77 765.35,752.95 964.43,752.95

## Silkscreen, mask and mechanical layers (free items; w line width, h text height)
Top Overlay:
  lines w10: 299.21,1881.89 354.33,1881.89 377.95,1905.51
  lines w20: 51.18,403.54 70.87,383.86 698.82,383.86 698.82,866.14 51.18,866.14 51.18,403.54 ; 78.74,462.6 118.11,423.23 157.48,462.6 78.74,462.6
  text "STATUS" at 994.09,1792.03 h60
  text "STOP" at 1329.23,1742.62 h60 r315
  text "START" at 1476.87,1594.98 h60 r315
  text "400mAh" at 246.22,658.99 h60
  text "Bowie / Glove" at -44.89,592.87 h60 r90
Mechanical 1:
  lines w10: -865.83,706.14 -531.18,981.73 -413.07,851.81 -200.47,989.61 -189.93,1000.14 -186.99,1003.39 -182.13,1010.67 -178.77,1018.76 -177.07,1027.35 -176.85,1031.73 -176.85,1532.91 -304.8,2034.88 -354.02,2202.2 55.43,2304.57 98.74,2152.99 252.28,2152.99 252.28,2320.31 677.48,2320.31 677.48,2132.78 817.24,2123.46 855.87,2297.27 1290.12,2204.22 1250.32,2044.72 1388.11,1985.67 1476.32,2134.61 1850.71,1926.61 1634.17,1552.6 1634.17,1304.57 1023.94,694.33 1023.94,490.16 861.81,490.16 861.81,492.12 860.31,495.73 857.54,498.5 853.93,500 850.01,500 846.39,498.5 843.62,495.73 842.13,492.12 842.13,490.16 842.13,116.14 842.13,114.18 843.62,110.57 846.39,107.8 850.01,106.3 853.93,106.3 857.54,107.8 860.31,110.57 861.81,114.18 861.81,116.14 1023.94,116.14 1023.94,47.48 1023.94,42.56 1022.02,32.9 1018.25,23.8 1012.77,15.61 1005.81,8.64 997.62,3.17 988.52,-0.6 978.86,-2.52 45.39,-2.52 35.73,-0.6 26.63,3.17 18.44,8.64 11.48,15.61 6.01,23.8 2.24,32.9 0.32,42.56 0.32,47.48 0.32,478.98 0.07,483.88 -1.84,493.49 -5.59,502.55 -11.03,510.7 -17.97,517.63 -26.12,523.07 -35.17,526.82 -44.78,528.74 -49.68,528.98 -716.22,528.98 -865.83,706.14

## Text inside footprints (layer, text, board x,y; h text height)
J6: Mechanical 2 "PCB End" at 1062.6,230.31 h40 r90; Top Designator "Milling Area" at 942.52,216.54 h40 r90